# Altium PCB DM1097_R0M0E0.PcbDoc (part 7 of 7)
Units mm, origin at the board's own origin, x right, y up, seen from the top; angles counter-clockwise.
Board outline 110 x 60 mm, 6 copper layers (Top Copper, GND 1, PWR, Signal Layer 1, GND 2, Bottom Copper), stack 1.597 mm thick; 273 components, 266 nets, 1212 pads, 803 vias.
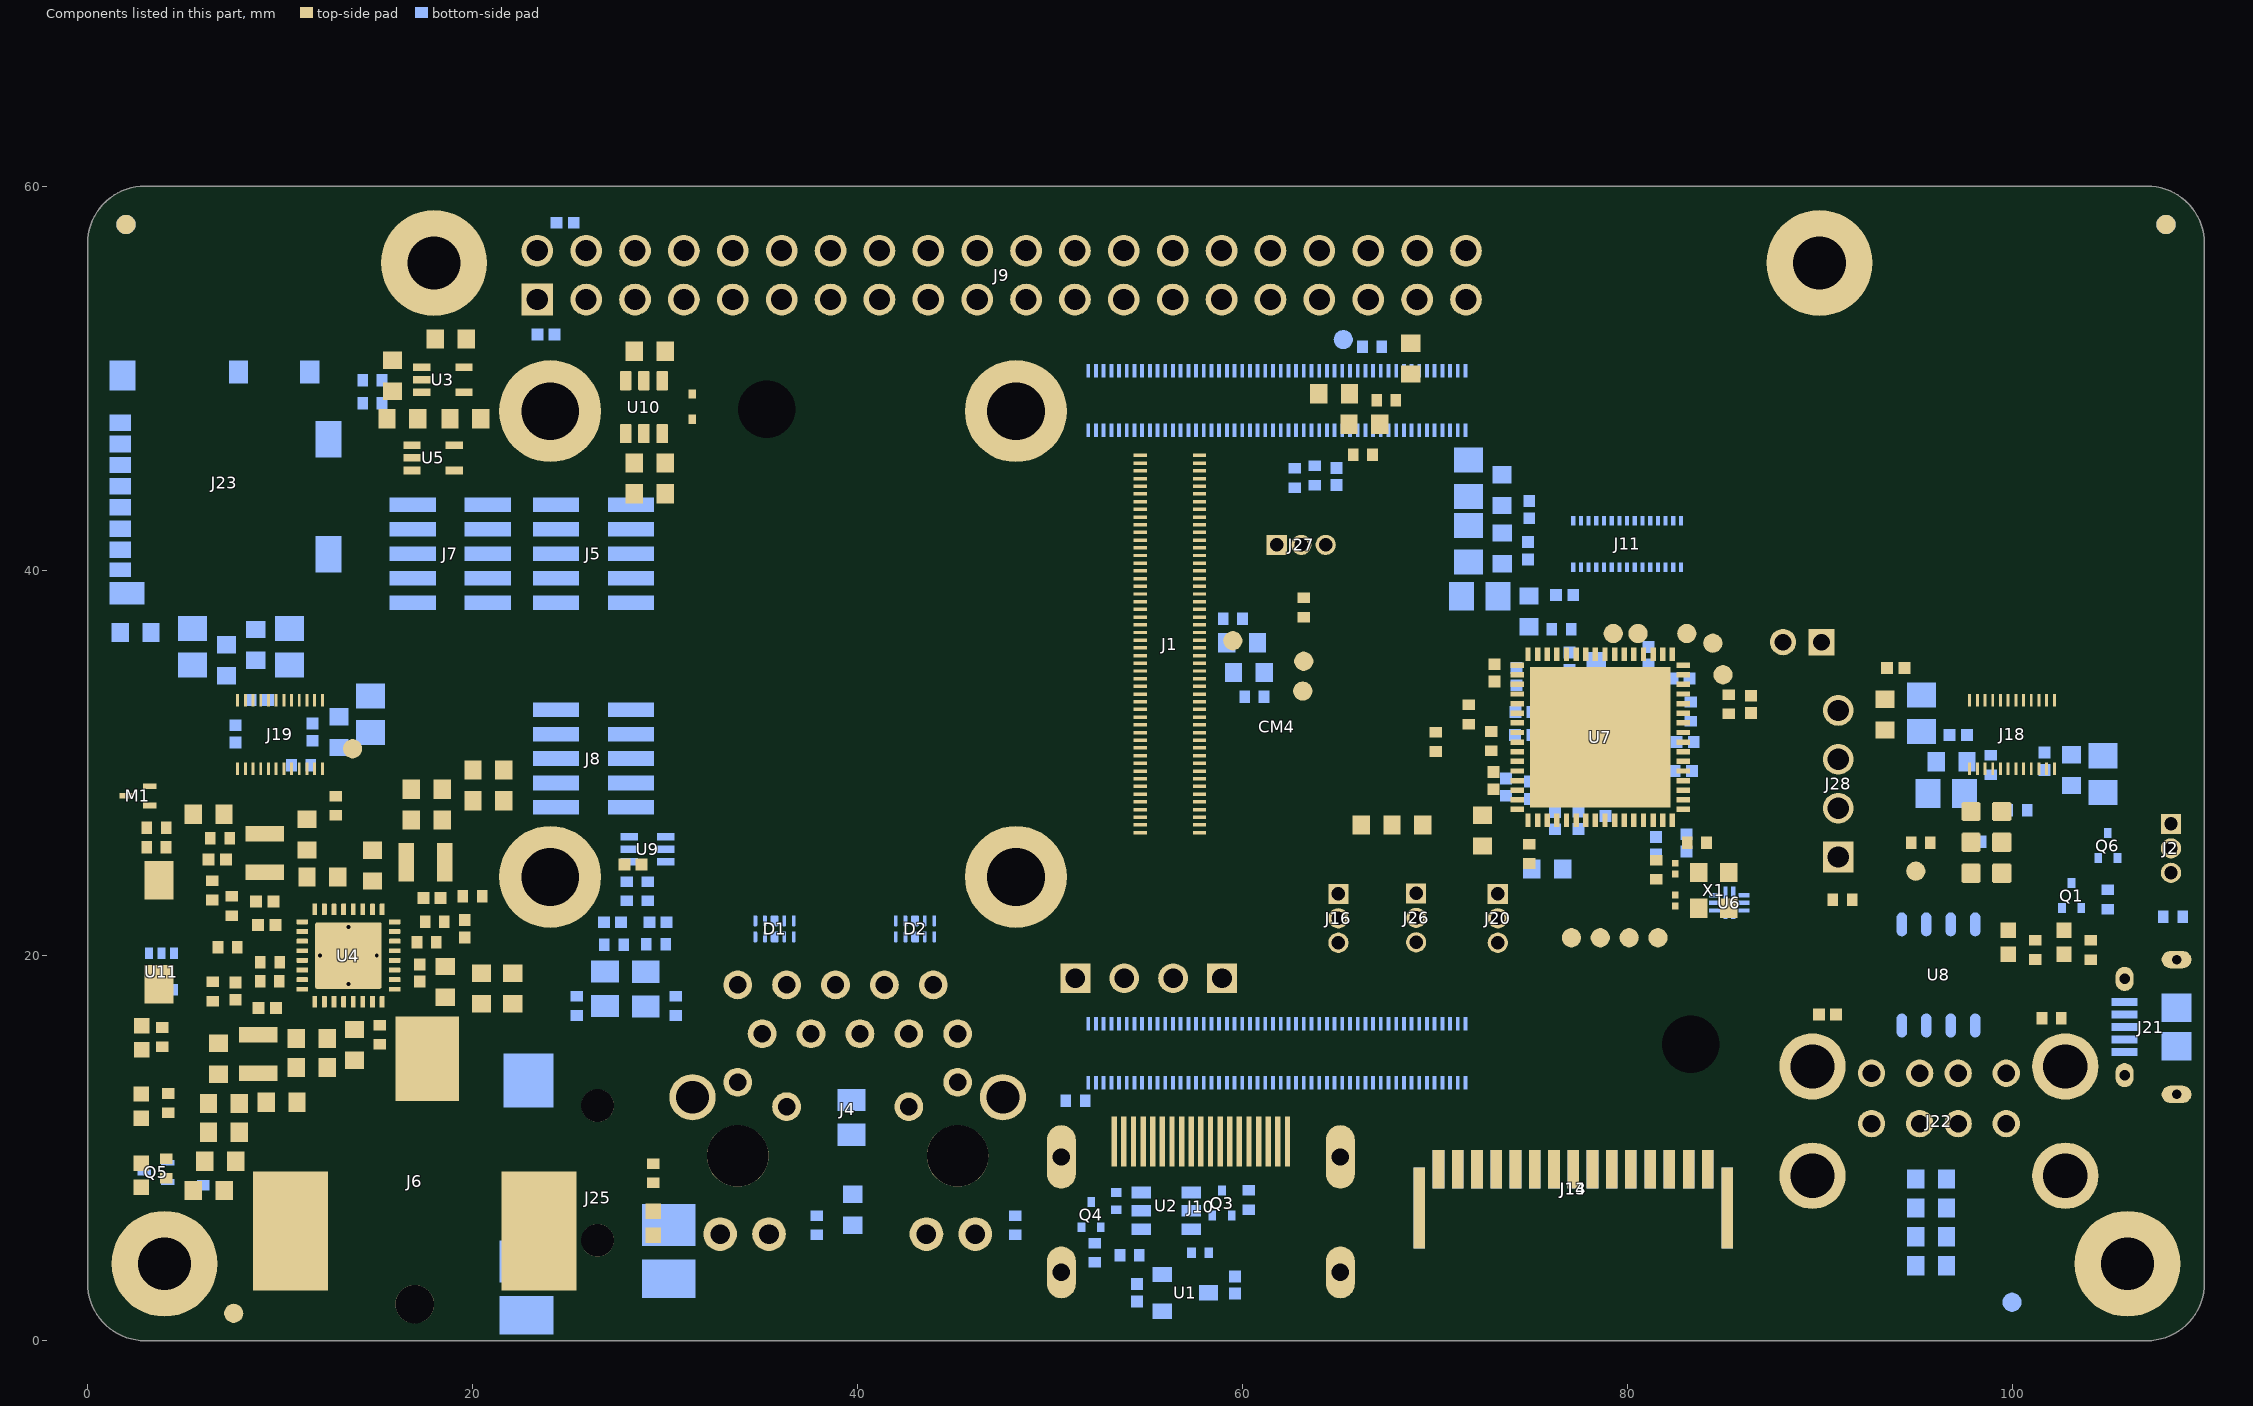
[diagram p11: the components of this part, seen from the top]

## Silkscreen, mask and mechanical layers (free items; w line width, h text height) (continued)
DrillDrawing:
  drawing of 155 lines, arcs and shapes, not listed
  text "Routed Path Length" at -62.326,-71.115 h1.83
  text "Hole Length" at -32.617,-71.115 h1.83
  text "Hole Tolerance (-)" at 1.256,-71.115 h1.83
  text "Hole Tolerance (+)" at 35.13,-71.115 h1.83
  text "Description" at 56.816,-71.115 h1.83
  text "Template" at 87.541,-71.115 h1.83
  text "Pad Shape" at 106.484,-71.115 h1.83
  text "Via/Pad" at 121.466,-71.115 h1.83
  text "Drill Layer Pair" at 162.602,-71.115 h1.83
  text "Hole Type" at 181.24,-71.115 h1.83
  text "Plated" at 194.089,-71.115 h1.83
  text "Hole Size" at 223.799,-71.115 h1.83
  text "Count" at 239.035,-71.115 h1.83
  text "Symbol" at 251.884,-71.115 h1.83
  text "-" at -62.326,-74.925 h1.52
  text "-" at -32.617,-74.925 h1.52
  text "c200hn200" at 87.541,-74.925 h1.52
  text "Rounded" at 106.484,-74.925 h1.52
  text "Pad" at 121.466,-74.925 h1.52
  text "Top Copper - Bottom Copper" at 162.602,-74.925 h1.52
  text "Round" at 181.24,-74.925 h1.52
  text "NPTH" at 194.089,-74.925 h1.52
  text "78,74mil (2,000mm)" at 223.799,-74.925 h1.52
  text "1" at 239.035,-74.925 h1.52
  text "I" at 252.341,-75.179 h1.69
  text "25,59mil (0,650mm)" at -62.326,-78.735 h1.52
  text "45,28mil (1,150mm)" at -32.617,-78.735 h1.52
  text "r155_90h50_115r100" at 87.541,-78.735 h1.52
  text "Rounded" at 106.484,-78.735 h1.52
  text "Pad" at 121.466,-78.735 h1.52
  text "Top Copper - Bottom Copper" at 162.602,-78.735 h1.52
  text "Slot" at 181.24,-78.735 h1.52
  text "PTH" at 194.089,-78.735 h1.52
  text "19,69mil (0,500mm)" at 223.799,-78.735 h1.52
  text "2" at 239.035,-78.735 h1.52
  text "11,81mil (0,300mm)" at -62.326,-82.545 h1.52
  text "33,47mil (0,850mm)" at -32.617,-82.545 h1.52
  text "r125_95h55_85r100" at 87.541,-82.545 h1.52
  text "Rounded" at 106.484,-82.545 h1.52
  text "Pad" at 121.466,-82.545 h1.52
  text "Top Copper - Bottom Copper" at 162.602,-82.545 h1.52
  text "Slot" at 181.24,-82.545 h1.52
  text "PTH" at 194.089,-82.545 h1.52
  text "21,65mil (0,550mm)" at 223.799,-82.545 h1.52
  text "2" at 239.035,-82.545 h1.52
  text "-" at -62.326,-86.355 h1.52
  text "-" at -32.617,-86.355 h1.52
  text "(Mixed)" at 87.541,-86.355 h1.52
  text "(Mixed)" at 106.484,-86.355 h1.52
  text "Pad" at 121.466,-86.355 h1.52
  text "Top Copper - Bottom Copper" at 162.602,-86.355 h1.52
  text "Round" at 181.24,-86.355 h1.52
  text "PTH" at 194.089,-86.355 h1.52
  text "33,86mil (0,860mm)" at 223.799,-86.355 h1.52
  text "2" at 239.035,-86.355 h1.52
  text "47,24mil (1,200mm)" at -62.326,-90.165 h1.52
  text "82,68mil (2,100mm)" at -32.617,-90.165 h1.52
  text "r150_270h90_210r100" at 87.541,-90.165 h1.52
  text "Rounded" at 106.484,-90.165 h1.52
  text "Pad" at 121.466,-90.165 h1.52
  text "Top Copper - Bottom Copper" at 162.602,-90.165 h1.52
  text "Slot" at 181.24,-90.165 h1.52
  text "PTH" at 194.089,-90.165 h1.52
  text "35,43mil (0,900mm)" at 223.799,-90.165 h1.52
  text "2" at 239.035,-90.165 h1.52
  text "B" at 252.623,-90.419 h1.69
  text "70,87mil (1,800mm)" at -62.326,-93.975 h1.52
  text "106,30mil (2,700mm)" at -32.617,-93.975 h1.52
  text "r150_330h90_270r100" at 87.541,-93.975 h1.52
  text "Rounded" at 106.484,-93.975 h1.52
  text "Pad" at 121.466,-93.975 h1.52
  text "Top Copper - Bottom Copper" at 162.602,-93.975 h1.52
  text "Slot" at 181.24,-93.975 h1.52
  text "PTH" at 194.089,-93.975 h1.52
  text "35,43mil (0,900mm)" at 223.799,-93.975 h1.52
  text "2" at 239.035,-93.975 h1.52
  text "A" at 252.623,-94.229 h1.69
  text "-" at -62.326,-97.785 h1.52
  text "-" at -32.617,-97.785 h1.52
  text "c170hn170" at 87.541,-97.785 h1.52
  text "Rounded" at 106.484,-97.785 h1.52
  text "Pad" at 121.466,-97.785 h1.52
  text "Top Copper - Bottom Copper" at 162.602,-97.785 h1.52
  text "Round" at 181.24,-97.785 h1.52
  text "NPTH" at 194.089,-97.785 h1.52
  text "66,93mil (1,700mm)" at 223.799,-97.785 h1.52
  text "2" at 239.035,-97.785 h1.52
  text "-" at -62.326,-101.595 h1.52
  text "-" at -32.617,-101.595 h1.52
  text "c240h170" at 87.541,-101.595 h1.52
  text "Rounded" at 106.484,-101.595 h1.52
  text "Pad" at 121.466,-101.595 h1.52
  text "Top Copper - Bottom Copper" at 162.602,-101.595 h1.52
  text "Round" at 181.24,-101.595 h1.52
  text "PTH" at 194.089,-101.595 h1.52
  text "66,93mil (1,700mm)" at 223.799,-101.595 h1.52
  text "2" at 239.035,-101.595 h1.52
  text "G" at 252.623,-101.849 h1.69
  text "-" at -62.326,-105.405 h1.52
  text "-" at -32.617,-105.405 h1.52
  text "0,00mil (0,000mm)" at 1.256,-105.405 h1.52
  text "0,00mil (0,000mm)" at 35.13,-105.405 h1.52
  text "c320h320(Tol0-0)" at 87.541,-105.405 h1.52
  text "Rounded" at 106.484,-105.405 h1.52
  text "Pad" at 121.466,-105.405 h1.52
  text "Top Copper - Bottom Copper" at 162.602,-105.405 h1.52
  text "Round" at 181.24,-105.405 h1.52
  text "PTH" at 194.089,-105.405 h1.52
  text "125,98mil (3,200mm)" at 223.799,-105.405 h1.52
  text "2" at 239.035,-105.405 h1.52
  text "F" at 252.623,-105.659 h1.69
  text "-" at -62.326,-109.215 h1.52
  text "-" at -32.617,-109.215 h1.52
  text "c345h230" at 87.541,-109.215 h1.52
  text "Rounded" at 106.484,-109.215 h1.52
  text "Pad" at 121.466,-109.215 h1.52
  text "Top Copper - Bottom Copper" at 162.602,-109.215 h1.52
  text "Round" at 181.24,-109.215 h1.52
  text "PTH" at 194.089,-109.215 h1.52
  text "90,55mil (2,300mm)" at 223.799,-109.215 h1.52
  text "4" at 239.035,-109.215 h1.52
  text "-" at -62.326,-113.025 h1.52
  text "-" at -32.617,-113.025 h1.52
  text "c550h275z300" at 87.541,-113.025 h1.52
  text "Rounded" at 106.484,-113.025 h1.52
  text "Pad" at 121.466,-113.025 h1.52
  text "Top Copper - Bottom Copper" at 162.602,-113.025 h1.52
  text "Round" at 181.24,-113.025 h1.52
  text "PTH" at 194.089,-113.025 h1.52
  text "108,27mil (2,750mm)" at 223.799,-113.025 h1.52
  text "4" at 239.035,-113.025 h1.52
  text "C" at 252.623,-113.279 h1.69
  text "-" at -62.326,-116.835 h1.52
  text "-" at -32.617,-116.835 h1.52
  text "(Mixed)" at 87.541,-116.835 h1.52
  text "Rounded" at 106.484,-116.835 h1.52
  text "Pad" at 121.466,-116.835 h1.52
  text "Top Copper - Bottom Copper" at 162.602,-116.835 h1.52
  text "Round" at 181.24,-116.835 h1.52
  text "PTH" at 194.089,-116.835 h1.52
  text "118,11mil (3,000mm)" at 223.799,-116.835 h1.52
  text "6" at 239.035,-116.835 h1.52
  text "-" at -62.326,-120.645 h1.52
  text "-" at -32.617,-120.645 h1.52
  text "c142h92" at 87.541,-120.645 h1.52
  text "Rounded" at 106.484,-120.645 h1.52
  text "Pad" at 121.466,-120.645 h1.52
  text "Top Copper - Bottom Copper" at 162.602,-120.645 h1.52
  text "Round" at 181.24,-120.645 h1.52
  text "PTH" at 194.089,-120.645 h1.52
  text "36,22mil (0,920mm)" at 223.799,-120.645 h1.52
  text "8" at 239.035,-120.645 h1.52
  text "-" at -62.326,-124.455 h1.52
  text "-" at -32.617,-124.455 h1.52
  text "(Mixed)" at 87.541,-124.455 h1.52
  text "(Mixed)" at 106.484,-124.455 h1.52
  text "Pad" at 121.466,-124.455 h1.52
  text "Top Copper - Bottom Copper" at 162.602,-124.455 h1.52
  text "Round" at 181.24,-124.455 h1.52
  text "PTH" at 194.089,-124.455 h1.52
  text "40,16mil (1,020mm)" at 223.799,-124.455 h1.52
  text "8" at 239.035,-124.455 h1.52
  text "-" at -62.326,-128.265 h1.52
  text "-" at -32.617,-128.265 h1.52
  text "c150h90" at 87.541,-128.265 h1.52
  text "Rounded" at 106.484,-128.265 h1.52
  text "Pad" at 121.466,-128.265 h1.52
  text "Top Copper - Bottom Copper" at 162.602,-128.265 h1.52
  text "Round" at 181.24,-128.265 h1.52
  text "PTH" at 194.089,-128.265 h1.52
  text "35,43mil (0,900mm)" at 223.799,-128.265 h1.52
  text "14" at 239.035,-128.265 h1.52
  text "-" at -62.326,-132.075 h1.52
  text "-" at -32.617,-132.075 h1.52
  text "(Mixed)" at 87.541,-132.075 h1.52
  text "(Mixed)" at 106.484,-132.075 h1.52
  text "Pad" at 121.466,-132.075 h1.52
  text "Top Copper - Bottom Copper" at 162.602,-132.075 h1.52
  text "Round" at 181.24,-132.075 h1.52
  text "PTH" at 194.089,-132.075 h1.52
  text "27,56mil (0,700mm)" at 223.799,-132.075 h1.52
  text "15" at 239.035,-132.075 h1.52
  text "D" at 252.623,-132.329 h1.69
  text "-" at -62.326,-135.885 h1.52
  text "-" at -32.617,-135.885 h1.52
  text "(Mixed)" at 87.541,-135.885 h1.52
  text "(Mixed)" at 106.484,-135.885 h1.52
  text "Pad" at 121.466,-135.885 h1.52
  text "Top Copper - Bottom Copper" at 162.602,-135.885 h1.52
  text "Round" at 181.24,-135.885 h1.52
  text "PTH" at 194.089,-135.885 h1.52
  text "43,31mil (1,100mm)" at 223.799,-135.885 h1.52
  text "44" at 239.035,-135.885 h1.52
  text "-" at -62.326,-139.695 h1.52
  text "-" at -32.617,-139.695 h1.52
  text "v51h25m0mx0" at 87.541,-139.695 h1.52
  text "Rounded" at 106.484,-139.695 h1.52
  text "Via" at 121.466,-139.695 h1.52
  text "Top Copper - Bottom Copper" at 162.602,-139.695 h1.52
  text "Round" at 181.24,-139.695 h1.52
  text "PTH" at 194.089,-139.695 h1.52
  text "10,00mil (0,254mm)" at 223.799,-139.695 h1.52
  text "361" at 239.035,-139.695 h1.52
  text "E" at 252.623,-139.949 h1.69
  text "-" at -62.326,-143.505 h1.52
  text "-" at -32.617,-143.505 h1.52
  text "(Mixed)" at 87.541,-143.505 h1.52
  text "Rounded" at 106.484,-143.505 h1.52
  text "(Mixed)" at 121.466,-143.505 h1.52
  text "Top Copper - Bottom Copper" at 162.602,-143.505 h1.52
  text "Round" at 181.24,-143.505 h1.52
  text "PTH" at 194.089,-143.505 h1.52
  text "8,00mil (0,203mm)" at 223.799,-143.505 h1.52
  text "446" at 239.035,-143.505 h1.52
  text "927 Total" at 239.035,-147.315 h1.52
  text "= Calculated from tool start centre position to tool end centre position." at 197.646,-150.997 h1.52
  text "Routed Path Length" at 225.654,-150.997 h1.52
  text "Slot definitions :" at 251.884,-150.997 h1.52
  text "= Routed Path Length + Tool Size = Slot length as defined in the PCB layout" at 208.057,-153.537 h1.52
  text "Hole Length" at 225.654,-153.537 h1.52

## Dimensions
90,56 to 0,60 on Dimensions
100,52 to 0,60 on Dimensions
80,47.4 to 0,60 on Dimensions
18,56 to 0,60 on Dimensions
10,52 to 0,60 on Dimensions
56.74,36.2 to 0,0 on Dimensions
56.24,36.7 to 0,0 on Dimensions
106,4 to 0,0 on Dimensions
18,56 to 0,0 on Dimensions
0,0 to 4,4 on Dimensions
0,0 to 4,4 on Dimensions
0,0 to 110,3 on Dimensions
26.3,44.1 to 3,0 on Dimensions
26.3,19.9 to 3,0 on Dimensions
0,3 to 50.5,19.9 on Dimensions
0,3 to 26.3,19.9 on Dimensions

## Text inside footprints (layer, text, board x,y; h text height)
J5: Bottom Overlay "9" at 22.889,44.294 h1 r270; Bottom Overlay "1" at 22.86,37.157 h1 r270
J7: Bottom Overlay "9" at 22.25,37.494 h1 r90; Bottom Overlay "1" at 22.279,44.631 h1 r90
J8: Bottom Overlay "9" at 22.289,32.551 h1 r270; Bottom Overlay "1" at 22.86,26.514 h1 r270
J9: Top Overlay "2" at 20.938,56.272 h1; Top Overlay "1" at 21.238,53.572 h1; Top Overlay "39" at 73.358,53.572 h1; Top Overlay "40" at 73.358,56.272 h1
J13: Bottom Overlay "15" at 70.5,10.3 h1; Bottom Overlay "1" at 85.3,10.5 h1; Assembly Notes (Mech10) "Keepout: flex cable region" at 87.6,-1.1 h1; Bottom Component Outline (Mech32) "Slider open" at 87.3,1.3 h1
J14: Top Overlay "1" at 69.1,10.5 h1; Top Overlay "15" at 83.9,10.3 h1; Assembly Notes (Mech10) "Keepout: flex cable region" at 66.8,-1.1 h1; Top Component Outline (Mech31) "Slider open" at 67.1,1.3 h1
J21: Bottom Assembly "PCB EDGE" at 109.8,22.7 h0.3 r270
J28: Top Overlay "1" at 92.9,23.2 h1 r90